# Altium PCB 朋氏集团—PCB尺.PcbDoc (part 2 of 2)
Units mm, origin at the board's own origin, x right, y up, seen from the top; angles counter-clockwise.
Board outline 210 x 30 mm, 2 copper layers (Top Layer, Bottom Layer); 50 components, 0 nets, 865 pads, 0 vias.
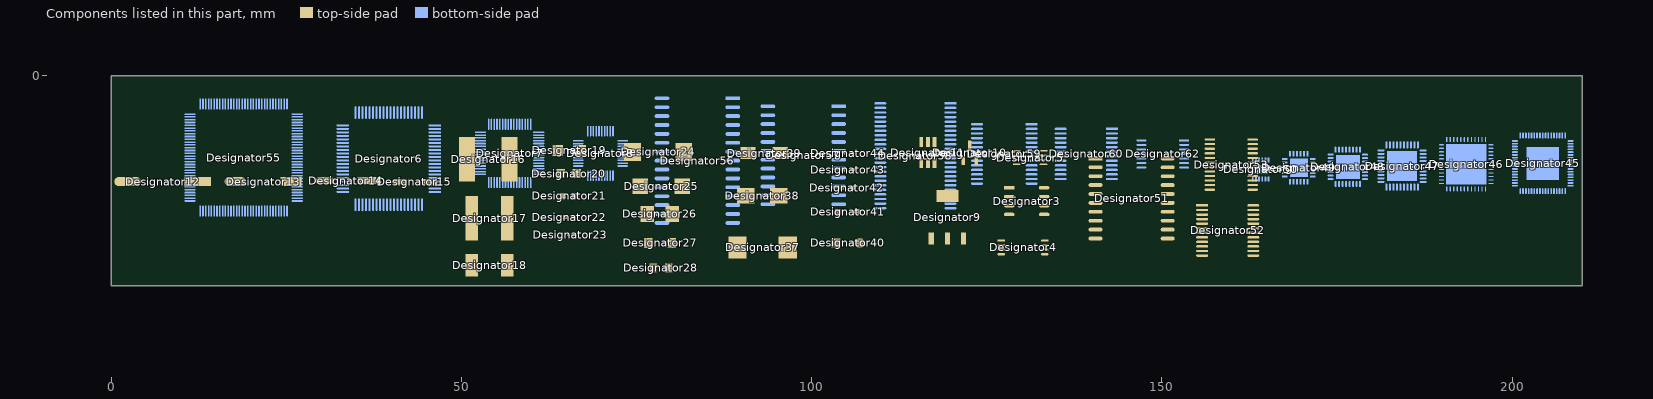
[diagram p2: the components of this part, seen from the top]

## Nets (pads, with @x,y where several pads share a name; then routed paths per layer and width w, separated by ;. In a path a pad name is that pad's centre, name@x,y a point inside that pad or via, vN(x,y) a via of type N, cw(c..) or ccw(c..) an arc to the next point about the centre after c; other vN are vias at no path point) (continued)
copper on no net: | length 5186.3
  Top Layer w0.127: 171.861,-21.19 173.258,-21.19 ; 171.861,-21.063 173.258,-21.063 ; 171.861,-20.936 173.258,-20.936 ; 171.861,-20.809 173.258,-20.809 ; 171.861,-20.682 173.131,-20.682 ; 171.861,-20.555 173.131,-20.555 ; 171.861,-20.428 173.131,-20.428 ; 171.861,-20.301 173.131,-20.301 ; 171.861,-20.174 173.131,-20.174 ; 171.861,-20.047 173.131,-20.047 ; 171.861,-19.92 173.004,-19.92 ; 171.861,-19.793 173.004,-19.793 ; 171.861,-19.666 173.004,-19.666 ; 171.861,-19.539 173.004,-19.539 ; 171.861,-19.412 173.004,-19.412 ; 171.861,-19.285 173.004,-19.285 ; 171.861,-19.158 173.004,-19.158 ; 171.861,-19.031 173.004,-19.031 ; 171.861,-18.904 173.131,-18.904 ; 171.861,-18.777 173.131,-18.777 ; 171.861,-18.65 173.131,-18.65 ; 171.988,-21.825 173.512,-21.825 ; 171.988,-21.698 173.512,-21.698 ; 171.988,-21.571 173.385,-21.571 ; 171.988,-21.444 173.385,-21.444 ; 171.988,-21.317 173.385,-21.317 ; 171.988,-18.523 173.131,-18.523 ; 171.988,-18.396 173.131,-18.396 ; 171.988,-18.269 173.131,-18.269 ; 171.988,-18.142 173.258,-18.142 ; 172.115,-22.206 173.766,-22.206 ; 172.115,-22.079 173.766,-22.079 ; 172.115,-21.952 173.639,-21.952 ; 172.115,-18.015 173.258,-18.015 ; 172.115,-17.888 173.258,-17.888 ; 172.115,-17.761 173.258,-17.761 ; 172.242,-22.46 174.02,-22.46 ; 172.242,-22.333 173.893,-22.333 ; 172.242,-17.634 173.385,-17.634 ; 172.242,-17.507 173.385,-17.507 ; 172.242,-17.38 173.385,-17.38 ; 172.369,-22.714 174.147,-22.714 ; 172.369,-22.587 174.147,-22.587 ; 172.369,-17.253 173.385,-17.253 ; 172.369,-17.126 173.512,-17.126 ; 172.496,-22.841 174.274,-22.841 ; 172.496,-16.999 173.512,-16.999 ; 172.496,-16.872 173.639,-16.872 ; 172.623,-23.222 174.782,-23.222 ; 172.623,-23.095 174.655,-23.095 ; 172.623,-22.968 174.528,-22.968 ; 172.623,-16.745 173.639,-16.745 ; 172.623,-16.618 173.766,-16.618 ; 172.75,-23.349 174.909,-23.349 ; 172.75,-16.491 173.766,-16.491 ; 172.75,-16.364 173.893,-16.364 ; 172.877,-23.603 175.29,-23.603 ; 172.877,-23.476 175.036,-23.476 ; 172.877,-16.237 173.893,-16.237 ; 173.004,-23.73 175.544,-23.73 ; 173.004,-16.11 174.02,-16.11 ; 173.004,-15.983 174.02,-15.983 ; 173.131,-23.857 175.671,-23.857 ; 173.131,-15.856 174.147,-15.856 ; 173.258,-23.984 175.925,-23.984 ; 173.258,-15.729 174.274,-15.729 ; 173.385,-24.111 176.179,-24.111 ; 173.385,-15.602 174.274,-15.602 ; 173.385,-15.475 174.401,-15.475 ; 173.512,-24.238 176.433,-24.238 ; 173.512,-15.348 174.528,-15.348 ; 173.639,-24.365 176.814,-24.365 ; 173.639,-15.221 174.528,-15.221 ; 173.766,-24.492 177.195,-24.492 ; 173.766,-15.094 174.655,-15.094 ; 173.893,-24.619 177.703,-24.619 ; 173.893,-14.967 174.782,-14.967 ; 173.893,-14.84 174.909,-14.84 ; 174.02,-24.746 178.211,-24.746 ; 174.02,-14.713 174.909,-14.713 ; 174.147,-24.873 178.846,-24.873 ; 174.147,-14.586 174.909,-14.586 ; 174.274,-25 179.608,-25 ; 174.274,-14.459 174.909,-14.459 ; 174.401,-14.332 174.909,-14.332 ; 174.528,-25.127 180.751,-25.127 ; 174.528,-14.205 174.909,-14.205 ; 174.655,-14.078 174.909,-14.078 ; 174.782,-25.254 192.816,-25.254 ; 174.909,-25.381 192.562,-25.381 ; 175.163,-25.508 192.181,-25.508 ; 175.29,-25.635 191.927,-25.635 ; 175.544,-25.762 191.546,-25.762 ; 175.798,-25.889 191.038,-25.889 ; 175.798,-19.666 177.449,-19.666 ; 175.798,-19.539 177.449,-19.539 ; 175.798,-19.412 177.449,-19.412 ; 175.798,-19.285 177.449,-19.285 ; 175.798,-19.158 177.449,-19.158 ; 175.798,-19.031 177.449,-19.031 ; 175.798,-18.904 177.449,-18.904 ; 175.798,-18.777 177.449,-18.777 ; 175.798,-18.65 177.449,-18.65 ; 175.798,-18.523 177.449,-18.523 ; 175.798,-18.396 177.449,-18.396 ; 175.798,-18.269 177.449,-18.269 ; 175.798,-18.142 177.449,-18.142 ; 175.798,-18.015 177.449,-18.015 ; 175.798,-17.888 177.449,-17.888 ; 175.798,-17.761 177.449,-17.761 ; 175.798,-17.634 177.449,-17.634 ; 175.798,-17.507 177.449,-17.507 ; 175.798,-17.38 177.449,-17.38 ; 175.798,-17.253 177.449,-17.253 ; 175.798,-17.126 177.449,-17.126 ; 175.798,-16.999 177.449,-16.999 ; 175.798,-16.872 177.449,-16.872 ; 175.798,-16.745 177.449,-16.745 ; 175.798,-16.618 177.449,-16.618 ; 175.798,-16.491 177.449,-16.491 ; 175.798,-16.364 177.449,-16.364 ; 175.798,-16.237 177.449,-16.237 ; 175.798,-16.11 177.449,-16.11 ; 175.798,-15.983 177.449,-15.983 ; 175.798,-15.856 177.449,-15.856 ; 175.798,-15.729 177.449,-15.729 ; 175.798,-15.602 177.449,-15.602 ; 175.798,-15.475 177.449,-15.475 ; 175.798,-14.459 177.449,-14.459 ; 175.798,-14.332 177.449,-14.332 ; 175.798,-14.205 177.449,-14.205 ; 175.798,-14.078 177.449,-14.078 ; 175.798,-13.951 177.449,-13.951 ; 175.798,-13.824 177.449,-13.824 ; 175.798,-13.697 177.449,-13.697 ; 175.798,-13.57 177.449,-13.57 ; 175.798,-13.443 177.449,-13.443 ; 175.798,-13.316 177.449,-13.316 ; 175.925,-20.174 177.449,-20.174 ; 175.925,-20.047 177.449,-20.047 ; 175.925,-19.92 177.449,-19.92 ; 175.925,-19.793 177.449,-19.793 ; 175.925,-15.348 177.449,-15.348 ; 175.925,-14.586 177.322,-14.586 ; 175.925,-13.189 177.322,-13.189 ; 176.052,-20.428 177.449,-20.428 ; 176.052,-20.301 177.449,-20.301 ; 176.179,-26.016 190.53,-26.016 ; 176.179,-20.555 177.449,-20.555 ; 176.306,-20.682 177.449,-20.682 ; 176.433,-20.809 177.449,-20.809 ; 176.56,-26.143 190.149,-26.143 ; 176.56,-20.936 177.449,-20.936 ; 176.814,-26.27 189.641,-26.27 ; 176.941,-21.063 177.449,-21.063 ; 177.195,-26.397 189.133,-26.397 ; 177.576,-26.524 188.625,-26.524 ; 177.83,-12.427 178.338,-12.427 ; 177.83,-12.3 178.592,-12.3 ; 177.83,-12.173 178.846,-12.173 ; 177.83,-12.046 179.1,-12.046 ; 177.957,-12.554 178.084,-12.554 ; 177.957,-11.919 179.481,-11.919 ; 178.084,-26.651 187.99,-26.651 ; 178.211,-11.792 179.735,-11.792 ; 178.338,-11.665 180.116,-11.665 ; 178.592,-21.063 180.116,-21.063 ; 178.592,-20.936 180.116,-20.936 ; 178.592,-20.809 180.116,-20.809 ; 178.592,-20.682 180.116,-20.682 ; 178.592,-20.555 180.116,-20.555 ; 178.592,-20.428 180.116,-20.428 ; 178.592,-20.301 180.116,-20.301 ; 178.592,-20.174 180.116,-20.174 ; 178.592,-20.047 180.116,-20.047 ; 178.592,-19.92 180.116,-19.92 ; 178.592,-19.793 180.116,-19.793 ; 178.592,-19.666 180.116,-19.666 ; 178.592,-19.539 180.116,-19.539 ; 178.592,-19.412 180.116,-19.412 ; 178.592,-19.285 180.116,-19.285 ; 178.592,-19.158 180.116,-19.158 ; 178.592,-19.031 180.116,-19.031 ; 178.592,-18.904 180.116,-18.904 ; 178.592,-18.777 180.116,-18.777 ; 178.592,-18.65 180.116,-18.65 ; 178.592,-18.523 180.116,-18.523 ; 178.592,-18.396 180.116,-18.396 ; 178.592,-18.269 180.116,-18.269 ; 178.592,-18.142 180.116,-18.142 ; 178.592,-18.015 180.116,-18.015 ; 178.592,-17.888 180.116,-17.888 ; 178.592,-17.761 180.116,-17.761 ; 178.592,-17.634 180.116,-17.634 ; 178.592,-17.507 180.116,-17.507 ; 178.592,-17.38 180.116,-17.38 ; 178.592,-17.253 180.116,-17.253 ; 178.592,-17.126 180.116,-17.126 ; 178.592,-16.999 180.116,-16.999 ; 178.592,-16.872 180.116,-16.872 ; 178.592,-16.745 180.116,-16.745 ; 178.592,-16.618 180.116,-16.618 ; 178.592,-16.491 183.291,-16.491 ; 178.592,-16.364 183.291,-16.364 ; 178.592,-16.237 183.164,-16.237 ; 178.592,-16.11 183.164,-16.11 ; 178.592,-15.983 183.037,-15.983 ; 178.592,-15.856 182.91,-15.856 ; 178.592,-15.729 182.783,-15.729 ; 178.592,-15.602 182.656,-15.602 ; 178.592,-15.475 182.529,-15.475 ; 178.592,-15.348 182.148,-15.348 ; 178.592,-11.538 180.37,-11.538 ; 178.719,-26.778 187.101,-26.778 ; 178.846,-11.411 180.751,-11.411 ; 179.1,-11.284 181.005,-11.284 ; 179.354,-11.157 181.386,-11.157 ; 179.481,-26.905 186.212,-26.905 ; 179.608,-11.03 181.894,-11.03 ; 179.862,-10.903 182.275,-10.903 ; 180.116,-10.776 182.656,-10.776 ; 180.37,-27.032 185.196,-27.032 ; 180.37,-10.649 183.037,-10.649 ; 180.751,-10.522 183.545,-10.522 ; 181.132,-10.395 184.18,-10.395 ; 181.386,-10.268 184.815,-10.268 ; 181.513,-16.618 183.291,-16.618 ; 181.767,-20.936 183.418,-20.936 ; 181.767,-20.809 183.418,-20.809 ; 181.767,-20.682 183.418,-20.682 ; 181.767,-20.555 183.418,-20.555 ; 181.767,-20.428 183.418,-20.428 ; 181.767,-20.301 183.418,-20.301 ; 181.767,-20.174 183.418,-20.174 ; 181.767,-20.047 183.418,-20.047 ; 181.767,-19.92 183.418,-19.92 ; 181.767,-19.793 183.418,-19.793 ; 181.767,-19.666 183.418,-19.666 ; 181.767,-19.539 183.418,-19.539 ; 181.767,-19.412 183.418,-19.412 ; 181.767,-19.285 183.418,-19.285 ; 181.767,-19.158 183.418,-19.158 ; 181.767,-19.031 183.418,-19.031 ; 181.767,-18.904 183.418,-18.904 ; 181.767,-18.777 183.418,-18.777 ; 181.767,-18.65 183.418,-18.65 ; 181.767,-18.523 183.418,-18.523 ; 181.767,-18.396 183.418,-18.396 ; 181.767,-18.269 183.418,-18.269 ; 181.767,-18.142 183.418,-18.142 ; 181.767,-18.015 183.418,-18.015 ; 181.767,-17.888 183.418,-17.888 ; 181.767,-17.761 183.418,-17.761 ; 181.767,-17.634 183.418,-17.634 ; 181.767,-17.507 183.418,-17.507 ; 181.767,-17.38 183.418,-17.38 ; 181.767,-17.253 183.418,-17.253 ; 181.767,-17.126 183.418,-17.126 ; 181.767,-16.999 183.418,-16.999 ; 181.767,-16.872 183.418,-16.872 ; 181.767,-16.745 183.291,-16.745 ; 181.767,-10.141 185.45,-10.141 ; 181.894,-21.063 183.291,-21.063 ; 182.021,-10.014 186.085,-10.014 ; 182.402,-9.887 187.101,-9.887 ; 182.783,-9.76 188.371,-9.76 ; 183.291,-9.633 195.61,-9.633 ; 183.799,-9.506 195.229,-9.506 ; 183.926,-25.127 193.197,-25.127 ; 184.18,-9.379 194.975,-9.379 ; 184.307,-19.92 186.974,-19.92 ; 184.307,-19.793 186.847,-19.793 ; 184.307,-19.666 185.958,-19.666 ; 184.307,-19.539 185.831,-19.539 ; 184.307,-19.412 185.831,-19.412 ; 184.307,-19.285 185.831,-19.285 ; 184.307,-19.158 185.831,-19.158 ; 184.307,-19.031 185.831,-19.031 ; 184.307,-18.904 185.831,-18.904 ; 184.307,-18.777 185.831,-18.777 ; 184.307,-18.65 185.831,-18.65 ; 184.307,-18.523 185.831,-18.523 ; 184.307,-18.396 185.831,-18.396 ; 184.307,-18.269 185.831,-18.269 ; 184.307,-18.142 185.831,-18.142 ; 184.307,-18.015 185.831,-18.015 ; 184.307,-17.888 185.831,-17.888 ; 184.307,-17.761 185.831,-17.761 ; 184.307,-17.634 185.831,-17.634 ; 184.307,-17.507 185.831,-17.507 ; 184.307,-17.38 185.831,-17.38 ; 184.307,-17.253 185.831,-17.253 ; 184.307,-17.126 185.831,-17.126 ; 184.307,-16.999 185.831,-16.999 ; 184.307,-16.872 185.831,-16.872 ; 184.307,-16.745 185.831,-16.745 ; 184.307,-16.618 185.831,-16.618 ; 184.307,-16.491 186.847,-16.491 ; 184.307,-16.364 186.974,-16.364 ; 184.307,-16.237 186.974,-16.237 ; 184.307,-16.11 186.974,-16.11 ; 184.307,-15.983 186.974,-15.983 ; 184.307,-15.856 186.974,-15.856 ; 184.307,-15.729 186.974,-15.729 ; 184.307,-15.602 186.974,-15.602 ; 184.307,-15.475 186.974,-15.475 ; 184.307,-15.348 186.847,-15.348 ; 184.307,-15.221 185.831,-15.221 ; 184.307,-15.094 185.831,-15.094 ; 184.307,-14.967 185.831,-14.967 ; 184.307,-14.84 185.831,-14.84 ; 184.307,-14.713 185.831,-14.713 ; 184.307,-14.586 185.831,-14.586 ; 184.307,-14.459 185.831,-14.459 ; 184.307,-14.332 185.831,-14.332 ; 184.307,-14.205 185.831,-14.205 ; 184.307,-14.078 185.831,-14.078 ; 184.307,-13.951 185.831,-13.951 ; 184.307,-13.824 185.831,-13.824 ; 184.434,-20.174 186.974,-20.174 ; 184.434,-20.047 186.974,-20.047 ; 184.561,-20.428 186.974,-20.428 ; 184.561,-20.301 186.974,-20.301 ; 184.688,-20.555 186.974,-20.555 ; 184.688,-9.252 194.594,-9.252 ; 184.815,-20.682 186.974,-20.682 ; 185.069,-20.809 186.974,-20.809 ; 185.196,-9.125 194.086,-9.125 ; 185.323,-25 193.578,-25 ; 185.323,-20.936 186.974,-20.936 ; 185.704,-21.063 186.847,-21.063 ; 185.831,-8.998 193.578,-8.998 ; 186.339,-24.873 193.832,-24.873 ; 186.847,-8.871 192.689,-8.871 ; 186.974,-24.746 194.086,-24.746 ; 187.101,-18.396 192.308,-18.396 ; 187.101,-18.269 192.308,-18.269 ; 187.101,-18.142 192.308,-18.142 ; 187.101,-18.015 192.308,-18.015 ; 187.228,-19.158 188.879,-19.158 ; 187.228,-19.031 188.752,-19.031 ; 187.228,-18.904 188.752,-18.904 ; 187.228,-18.777 188.752,-18.777 ; 187.228,-18.65 192.308,-18.65 ; 187.228,-18.523 192.308,-18.523 ; 187.228,-17.888 192.308,-17.888 ; 187.228,-17.761 192.308,-17.761 ; 187.228,-17.634 192.308,-17.634 ; 187.228,-17.507 188.752,-17.507 ; 187.228,-17.38 188.752,-17.38 ; 187.228,-17.253 188.752,-17.253 ; 187.355,-19.539 189.006,-19.539 ; 187.355,-19.412 189.006,-19.412 ; 187.355,-19.285 188.879,-19.285 ; 187.355,-17.126 188.879,-17.126 ; 187.355,-16.999 188.879,-16.999 ; 187.355,-16.872 189.006,-16.872 ; 187.482,-19.793 189.641,-19.793 ; 187.482,-19.666 189.26,-19.666 ; 187.482,-16.745 189.006,-16.745 ; 187.482,-16.618 189.26,-16.618 ; 187.482,-16.491 191.927,-16.491 ; 187.609,-24.619 194.34,-24.619 ; 187.609,-20.047 192.054,-20.047 ; 187.609,-19.92 191.927,-19.92 ; 187.609,-16.364 191.927,-16.364 ; 187.736,-20.174 192.181,-20.174 ; 187.736,-16.237 191.8,-16.237 ; 187.863,-20.301 192.054,-20.301 ; 187.863,-16.11 191.8,-16.11 ; 187.99,-20.428 191.927,-20.428 ; 187.99,-15.983 191.673,-15.983 ; 187.99,-8.744 191.673,-8.744 ; 188.117,-20.555 191.8,-20.555 ; 188.117,-15.856 191.546,-15.856 ; 188.244,-20.682 191.673,-20.682 ; 188.244,-15.729 191.419,-15.729 ; 188.371,-24.492 194.594,-24.492 ; 188.371,-20.809 191.419,-20.809 ; 188.371,-15.602 191.292,-15.602 ; 188.625,-20.936 191.165,-20.936 ; 188.625,-15.475 191.038,-15.475 ; 188.879,-15.348 190.784,-15.348 ; 189.006,-24.365 194.848,-24.365 ; 189.006,-21.063 190.911,-21.063 ; 189.26,-15.221 190.403,-15.221 ; 189.387,-24.238 194.975,-24.238 ; 189.895,-24.111 195.102,-24.111 ; 190.276,-23.984 195.102,-23.984 ; 190.276,-19.793 191.8,-19.793 ; 190.276,-16.618 192.054,-16.618 ; 190.53,-16.872 192.181,-16.872 ; 190.53,-16.745 192.054,-16.745 ; 190.657,-23.857 195.102,-23.857 ; 190.657,-17.253 192.308,-17.253 ; 190.657,-17.126 192.181,-17.126 ; 190.657,-16.999 192.181,-16.999 ; 190.784,-19.666 191.673,-19.666 ; 190.784,-17.507 192.308,-17.507 ; 190.784,-17.38 192.308,-17.38 ; 190.784,-9.76 195.991,-9.76 ; 190.911,-19.539 191.546,-19.539 ; 191.038,-23.73 195.102,-23.73 ; 191.038,-19.412 191.419,-19.412 ; 191.546,-23.603 195.102,-23.603 ; 191.927,-23.476 195.102,-23.476 ; 191.927,-9.887 196.245,-9.887 ; 192.181,-23.349 195.102,-23.349 ; 192.435,-23.222 195.102,-23.222 ; 192.689,-10.014 196.499,-10.014 ; 192.816,-23.095 195.102,-23.095 ; 193.07,-22.968 195.102,-22.968 ; 193.07,-19.92 194.594,-19.92 ; 193.07,-19.793 194.594,-19.793 ; 193.07,-19.666 194.594,-19.666 ; 193.07,-19.539 194.594,-19.539 ; 193.07,-19.412 194.594,-19.412 ; 193.07,-19.285 194.594,-19.285 ; 193.07,-19.158 194.594,-19.158 ; 193.07,-19.031 194.594,-19.031 ; 193.07,-18.904 194.594,-18.904 ; 193.07,-18.777 194.594,-18.777 ; 193.07,-18.65 194.594,-18.65 ; 193.07,-18.523 194.594,-18.523 ; 193.07,-18.396 194.594,-18.396 ; 193.07,-18.269 194.594,-18.269 ; 193.07,-18.142 194.594,-18.142 ; 193.07,-18.015 194.594,-18.015 ; 193.07,-17.888 194.594,-17.888 ; 193.07,-17.761 194.594,-17.761 ; 193.07,-17.634 194.594,-17.634 ; 193.07,-17.507 194.594,-17.507 ; 193.07,-17.38 194.594,-17.38 ; 193.07,-17.253 194.594,-17.253 ; 193.07,-17.126 194.594,-17.126 ; 193.07,-16.999 194.594,-16.999 ; 193.07,-16.872 194.594,-16.872 ; 193.07,-16.745 194.594,-16.745 ; 193.07,-16.618 194.594,-16.618 ; 193.07,-16.491 194.594,-16.491 ; 193.07,-16.364 194.594,-16.364 ; 193.07,-16.237 194.594,-16.237 ; 193.07,-16.11 194.594,-16.11 ; 193.07,-15.983 194.594,-15.983 ; 193.07,-15.856 194.594,-15.856 ; 193.07,-15.729 194.594,-15.729 ; 193.07,-15.602 194.594,-15.602 ; 193.07,-15.475 194.594,-15.475 ; 193.07,-15.348 194.594,-15.348 ; 193.07,-15.221 194.594,-15.221 ; 193.07,-15.094 194.594,-15.094 ; 193.07,-14.967 194.594,-14.967 ; 193.07,-14.84 194.594,-14.84 ; 193.07,-14.713 194.594,-14.713 ; 193.07,-14.586 194.594,-14.586 ; 193.07,-14.459 194.594,-14.459 ; 193.07,-14.332 194.594,-14.332 ; 193.07,-14.205 194.594,-14.205 ; 193.07,-14.078 194.594,-14.078 ; 193.07,-13.951 194.594,-13.951 ; 193.07,-13.824 194.594,-13.824 ; 193.07,-13.697 194.594,-13.697 ; 193.07,-13.57 194.594,-13.57 ; 193.07,-13.443 194.594,-13.443 ; 193.07,-13.316 194.594,-13.316 ; 193.07,-13.189 194.594,-13.189 ; 193.07,-13.062 194.594,-13.062 ; 193.197,-20.301 194.594,-20.301 ; 193.197,-20.174 194.594,-20.174 ; 193.197,-20.047 194.594,-20.047 ; 193.197,-12.935 194.467,-12.935 ; 193.197,-10.141 196.753,-10.141 ; 193.324,-20.428 194.594,-20.428 ; 193.451,-22.841 195.102,-22.841 ; 193.451,-20.555 194.594,-20.555 ; 193.578,-20.682 194.594,-20.682 ; 193.705,-22.714 195.102,-22.714 ; 193.705,-10.268 196.88,-10.268 ; 193.832,-20.809 194.594,-20.809 ; 193.959,-22.587 195.102,-22.587 ; 194.086,-20.936 194.594,-20.936 ; 194.213,-22.46 195.102,-22.46 ; 194.213,-10.395 197.134,-10.395 ; 194.467,-22.333 195.102,-22.333 ; 194.594,-10.522 197.388,-10.522 ; 194.721,-22.206 195.102,-22.206 ; 194.848,-10.649 197.515,-10.649 ; 195.102,-10.776 197.642,-10.776 ; 195.356,-10.903 197.769,-10.903 ; 195.483,-20.936 195.864,-20.936 ; 195.483,-20.809 196.118,-20.809 ; 195.483,-20.682 196.372,-20.682 ; 195.483,-20.555 196.626,-20.555 ; 195.483,-20.428 196.753,-20.428 ; 195.483,-20.301 197.007,-20.301 ; 195.483,-20.174 197.134,-20.174 ; 195.483,-20.047 197.388,-20.047 ; 195.483,-19.92 197.515,-19.92 ; 195.483,-19.793 197.642,-19.793 ; 195.483,-19.666 197.769,-19.666 ; 195.483,-19.539 197.896,-19.539 ; 195.483,-19.412 198.023,-19.412 ; 195.483,-13.824 196.626,-13.824 ; 195.483,-13.697 195.737,-13.697 ; 195.483,-13.57 195.737,-13.57 ; 195.483,-13.443 195.737,-13.443 ; 195.483,-13.316 196.626,-13.316 ; 195.61,-13.951 195.991,-13.951 ; 195.61,-13.189 196.626,-13.189 ; 195.61,-11.03 198.023,-11.03 ; 195.737,-19.285 198.15,-19.285 ; 195.737,-14.078 196.499,-14.078 ; 195.737,-13.062 196.499,-13.062 ; 195.864,-19.158 198.277,-19.158 ; 195.864,-14.205 196.372,-14.205 ; 195.864,-13.697 196.372,-13.697 ; 195.864,-13.57 196.372,-13.57 ; 195.864,-13.443 196.753,-13.443 ; 195.864,-11.157 198.15,-11.157 ; 195.991,-12.935 196.245,-12.935 ; 196.118,-19.031 198.277,-19.031 ; 196.118,-13.951 196.626,-13.951 ; 196.118,-11.284 198.277,-11.284 ; 196.245,-18.904 198.404,-18.904 ; 196.245,-11.411 198.404,-11.411 ; 196.372,-18.777 198.531,-18.777 ; 196.372,-11.538 198.531,-11.538 ; 196.499,-18.65 198.658,-18.65 ; 196.499,-13.697 196.753,-13.697 ; 196.499,-13.57 196.753,-13.57 ; 196.626,-18.523 198.785,-18.523 ; 196.626,-11.665 198.531,-11.665 ; 196.753,-18.396 198.785,-18.396 ; 196.753,-11.792 198.658,-11.792 ; 196.88,-18.269 198.912,-18.269 ; 196.88,-11.919 198.785,-11.919 ; 197.007,-18.142 198.912,-18.142 ; 197.007,-12.046 198.912,-12.046 ; 197.134,-18.015 199.039,-18.015 ; 197.134,-12.173 198.912,-12.173 ; 197.261,-17.888 199.039,-17.888 ; 197.261,-12.3 199.039,-12.3 ; 197.388,-17.761 199.166,-17.761 ; 197.388,-17.634 199.166,-17.634 ; 197.388,-12.554 199.166,-12.554 ; 197.388,-12.427 199.039,-12.427 ; 197.515,-17.507 199.293,-17.507 ; 197.515,-17.38 199.293,-17.38 ; 197.515,-12.681 199.166,-12.681 ; 197.642,-17.253 199.42,-17.253 ; 197.642,-17.126 199.42,-17.126 ; 197.642,-12.935 199.42,-12.935 ; 197.642,-12.808 199.293,-12.808 ; 197.769,-16.999 199.547,-16.999 ; 197.769,-16.872 199.547,-16.872 ; 197.769,-13.189 199.42,-13.189 ; 197.769,-13.062 199.42,-13.062 ; 197.896,-16.745 199.547,-16.745 ; 197.896,-16.618 199.547,-16.618 ; 197.896,-13.443 199.547,-13.443 ; 197.896,-13.316 199.547,-13.316 ; 198.023,-16.491 199.674,-16.491 ; 198.023,-16.364 199.674,-16.364 ; 198.023,-16.237 199.674,-16.237 ; 198.023,-13.824 199.674,-13.824 ; 198.023,-13.697 199.674,-13.697 ; 198.023,-13.57 199.547,-13.57 ; 198.15,-16.11 199.674,-16.11 ; 198.15,-15.983 199.674,-15.983 ; 198.15,-15.856 199.801,-15.856 ; 198.15,-15.729 199.801,-15.729 ; 198.15,-14.332 199.801,-14.332 ; 198.15,-14.205 199.674,-14.205 ; 198.15,-14.078 199.674,-14.078 ; 198.15,-13.951 199.674,-13.951 ; 198.277,-15.602 199.801,-15.602 ; 198.277,-15.475 199.801,-15.475 ; 198.277,-15.348 199.801,-15.348 ; 198.277,-15.221 199.801,-15.221 ; 198.277,-15.094 199.801,-15.094 ; 198.277,-14.967 199.801,-14.967 ; 198.277,-14.84 199.801,-14.84 ; 198.277,-14.713 199.801,-14.713 ; 198.277,-14.586 199.801,-14.586 ; 198.277,-14.459 199.801,-14.459
  Bottom Layer w0.254: 4.983,-29.972 4.983,-22.972 ; 5,-7 5,0 ; 5.034,-29.972 5.034,-22.972 ; 5.5,-2 5.5,0 ; 5.983,-29.972 5.983,-25.972 ; 6,-4 6,0 ; 6.034,-29.972 6.034,-25.972 ; 6.5,-2 6.5,0 ; 6.983,-29.972 6.983,-25.972 ; 7,-4 7,0 ; 7.034,-29.972 7.034,-25.972 ; 7.5,-2 7.5,0 ; 7.983,-29.972 7.983,-25.972 ; 8,-4 8,0 ; 8.034,-29.972 8.034,-25.972 ; 8.5,-2 8.5,0 ; 8.983,-29.972 8.983,-25.972 ; 9,-4 9,0 ; 9.034,-29.972 9.034,-25.972 ; 9.5,-2 9.5,0 ; 9.983,-29.972 9.983,-23.972 ; 10,-6 10,0 ; 10.034,-29.972 10.034,-23.972 ; 10.5,-2 10.5,0 ; 10.983,-29.972 10.983,-25.972 ; 11,-4 11,0 ; 11.034,-29.972 11.034,-25.972 ; 11.5,-2 11.5,0 ; 11.983,-29.972 11.983,-25.972 ; 12,-4 12,0 ; 12.034,-29.972 12.034,-25.972 ; 12.5,-2 12.5,0 ; 12.983,-29.972 12.983,-25.972 ; 13,-4 13,0 ; 13.034,-29.972 13.034,-25.972 ; 13.5,-2 13.5,0 ; 13.983,-29.972 13.983,-25.972 ; 14,-4 14,0 ; 14.034,-29.972 14.034,-25.972 ; 14.5,-2 14.5,0 ; 14.983,-29.972 14.983,-22.972 ; 15,-7 15,0 ; 15.034,-29.972 15.034,-22.972 ; 15.5,-2 15.5,0 ; 15.983,-29.972 15.983,-25.972 ; 16,-4 16,0 ; 16.034,-29.972 16.034,-25.972 ; 16.5,-2 16.5,0 ; 16.983,-29.972 16.983,-25.972 ; 17,-4 17,0 ; 17.034,-29.972 17.034,-25.972 ; 17.5,-2 17.5,0 ; 17.983,-29.972 17.983,-25.972 ; 18,-4 18,0 ; 18.034,-29.972 18.034,-25.972 ; 18.5,-2 18.5,0 ; 18.983,-29.972 18.983,-25.972 ; 19,-4 19,0 ; 19.034,-29.972 19.034,-25.972 ; 19.5,-2 19.5,0 ; 19.983,-29.972 19.983,-23.972 ; 20,-6 20,0 ; 20.034,-29.972 20.034,-23.972 ; 20.5,-2 20.5,0 ; 20.983,-29.972 20.983,-25.972 ; 21,-4 21,0 ; 21.034,-29.972 21.034,-25.972 ; 21.5,-2 21.5,0 ; 21.983,-29.972 21.983,-25.972 ; 22,-4 22,0 ; 22.034,-29.972 22.034,-25.972 ; 22.5,-2 22.5,0 ; 22.983,-29.972 22.983,-25.972 ; 23,-4 23,0 ; 23.034,-29.972 23.034,-25.972 ; 23.5,-2 23.5,0 ; 23.983,-29.972 23.983,-25.972 ; 24,-4 24,0 ; 24.034,-29.972 24.034,-25.972 ; 24.5,-2 24.5,0 ; 24.983,-29.972 24.983,-22.972 ; 25,-7 25,0 ; 25.034,-29.972 25.034,-22.972 ; 25.5,-2 25.5,0 ; 25.983,-29.972 25.983,-25.972 ; 26,-4 26,0 ; 26.034,-29.972 26.034,-25.972 ; 26.5,-2 26.5,0 ; 26.983,-29.972 26.983,-25.972 ; 27.034,-29.972 27.034,-25.972 ; 27.983,-29.972 27.983,-25.972 ; 28,-4 28,0 ; 28.034,-29.972 28.034,-25.972 ; 28.5,-2 28.5,0 ; 28.983,-29.972 28.983,-25.972 ; 29,-4 29,0 ; 29.034,-29.972 29.034,-25.972 ; 29.5,-2 29.5,0 ; 29.983,-29.972 29.983,-23.972 ; 30,-6 30,0 ; 30.034,-29.972 30.034,-23.972 ; 30.5,-2 30.5,0 ; 30.983,-29.972 30.983,-25.972 ; 31,-4 31,0 ; 31.034,-29.972 31.034,-25.972 ; 31.5,-2 31.5,0 ; 31.983,-29.972 31.983,-25.972 ; 32,-4 32,0 ; 32.034,-29.972 32.034,-25.972 ; 32.5,-2 32.5,0 ; 32.983,-29.972 32.983,-25.972 ; 33,-4 33,0 ; 33.034,-29.972 33.034,-25.972 ; 33.5,-2 33.5,0 ; 33.983,-29.972 33.983,-25.972 ; 34,-4 34,0 ; 34.034,-29.972 34.034,-25.972 ; 34.5,-2 34.5,0 ; 34.983,-29.972 34.983,-22.972 ; 35,-7 35,0 ; 35.034,-29.972 35.034,-22.972 ; 35.5,-2 35.5,0 ; 35.983,-29.972 35.983,-25.972 ; 36,-4 36,0 ; 36.034,-29.972 36.034,-25.972 ; 36.5,-2 36.5,0 ; 36.983,-29.972 36.983,-25.972 ; 37,-4 37,0 ; 37.034,-29.972 37.034,-25.972 ; 37.5,-2 37.5,0 ; 37.983,-29.972 37.983,-25.972 ; 38,-4 38,0 ; 38.034,-29.972 38.034,-25.972 ; 38.5,-2 38.5,0 ; 38.983,-29.972 38.983,-25.972 ; 39,-4 39,0 ; 39.034,-29.972 39.034,-25.972 ; 39.5,-2 39.5,0 ; 39.983,-29.972 39.983,-23.972 ; 40,-6 40,0 ; 40.034,-29.972 40.034,-23.972 ; 40.5,-2 40.5,0 ; 40.983,-29.972 40.983,-25.972 ; 41,-4 41,0 ; 41.034,-29.972 41.034,-25.972 ; 41.5,-2 41.5,0 ; 41.983,-29.972 41.983,-25.972 ; 42,-4 42,0 ; 42.034,-29.972 42.034,-25.972 ; 42.5,-2 42.5,0 ; 42.983,-29.972 42.983,-25.972 ; 43,-4 43,0 ; 43.034,-29.972 43.034,-25.972 ; 43.5,-2 43.5,0 ; 43.983,-29.972 43.983,-25.972 ; 44.034,-29.972 44.034,-25.972 ; 44.983,-29.972 44.983,-22.972 ; 45,-7 45,0 ; 45.034,-29.972 45.034,-22.972 ; 45.5,-2 45.5,0 ; 45.983,-29.972 45.983,-25.972 ; 46,-4 46,0 ; 46.034,-29.972 46.034,-25.972 ; 46.499,-2 46.499,0 ; 46.983,-29.972 46.983,-25.972 ; 46.999,-4 46.999,0 ; 47.034,-29.972 47.034,-25.972 ; 47.499,-2 47.499,0 ; 47.982,-29.972 47.982,-25.972 ; 47.999,-4 47.999,0 ; 48.034,-29.972 48.034,-25.972 ; 48.499,-2 48.499,0 ; 48.982,-29.972 48.982,-25.972 ; 48.999,-4 48.999,0 ; 49.034,-29.972 49.034,-25.972 ; 49.499,-2 49.499,0 ; 49.982,-29.972 49.982,-23.972 ; 49.999,-6 49.999,0 ; 50.034,-29.972 50.034,-23.972 ; 50.499,-2 50.499,0 ; 50.982,-29.972 50.982,-25.972 ; 50.999,-4 50.999,0 ; 51.034,-29.972 51.034,-25.972 ; 51.499,-2 51.499,0 ; 51.982,-29.972 51.982,-25.972 ; 51.999,-4 51.999,0 ; 52.034,-29.972 52.034,-25.972 ; 52.499,-2 52.499,0 ; 52.982,-29.972 52.982,-25.972 ; 52.999,-4 52.999,0 ; 53.034,-29.972 53.034,-25.972 ; 53.499,-2 53.499,0 ; 53.982,-29.972 53.982,-25.972 ; 53.999,-4 53.999,0 ; 54.034,-29.972 54.034,-25.972 ; 54.499,-2 54.499,0 ; 54.982,-29.972 54.982,-22.972 ; 54.999,-7 54.999,0 ; 55.034,-29.972 55.034,-22.972 ; 55.499,-2 55.499,0 ; 55.982,-29.972 55.982,-25.972 ; 55.999,-4 55.999,0 ; 56.034,-29.972 56.034,-25.972 ; 56.499,-2 56.499,0 ; 56.982,-29.972 56.982,-25.972 ; 56.999,-4 56.999,0 ; 57.034,-29.972 57.034,-25.972 ; 57.499,-2 57.499,0 ; 57.999,-4 57.999,0 ; 58.499,-2 58.499,0 ; 58.982,-29.972 58.982,-25.972 ; 58.999,-4 58.999,0 ; 59.034,-29.972 59.034,-25.972 ; 59.499,-2 59.499,0 ; 59.982,-29.972 59.982,-23.972 ; 59.999,-6 59.999,0 ; 60.034,-29.972 60.034,-23.972 ; 60.499,-2 60.499,0 ; 60.982,-29.972 60.982,-25.972 ; 60.999,-4 60.999,0 ; 61.034,-29.972 61.034,-25.972 ; 61.499,-2 61.499,0 ; 61.982,-29.972 61.982,-25.972 ; 61.999,-4 61.999,0 ; 62.034,-29.972 62.034,-25.972 ; 62.499,-2 62.499,0 ; 62.999,-4 62.999,0 ; 63.499,-2 63.499,0 ; 63.982,-29.972 63.982,-25.972 ; 63.999,-4 63.999,0 ; 64.034,-29.972 64.034,-25.972 ; 64.499,-2 64.499,0 ; 64.982,-25.972 64.982,-29.972 64.982,-22.972 ; 64.999,-7 64.999,0 ; 65.034,-25.972 65.034,-29.972 65.034,-22.972 ; 65.499,-2 65.499,0 ; 65.982,-29.972 65.982,-25.972 ; 65.999,-4 65.999,0 ; 66.034,-29.972 66.034,-25.972 ; 66.499,-2 66.499,0 ; 66.982,-29.972 66.982,-25.972 ; 66.999,-4 66.999,0 ; 67.034,-29.972 67.034,-25.972 ; 67.499,-2 67.499,0 ; 67.982,-29.972 67.982,-25.972 ; 67.999,-4 67.999,0 ; 68.034,-29.972 68.034,-25.972 ; 68.499,-2 68.499,0 ; 68.999,-4 68.999,0 ; 69.499,-2 69.499,0 ; 69.982,-29.972 69.982,-23.972 ; 69.999,-6 69.999,0 ; 70.033,-29.972 70.033,-23.972 ; 70.499,-2 70.499,0 ; 70.982,-29.972 70.982,-25.972 ; 70.999,-4 70.999,0 ; 71.033,-29.972 71.033,-25.972 ; 71.499,-2 71.499,0 ; 71.982,-29.972 71.982,-25.972 ; 71.999,-4 71.999,0 ; 72.033,-29.972 72.033,-25.972 ; 72.499,-2 72.499,0 ; 72.982,-29.972 72.982,-25.972 ; 72.999,-4 72.999,0 ; 73.033,-29.972 73.033,-25.972 ; 73.499,-2 73.499,0 ; 73.999,-4 73.999,0 ; 74.499,-2 74.499,0 ; 74.982,-25.972 74.982,-29.972 74.982,-22.972 ; 74.999,-7 74.999,0 ; 75.033,-25.972 75.033,-29.972 75.033,-22.972 ; 75.499,-2 75.499,0 ; 75.982,-29.972 75.982,-25.972 ; 75.999,-4 75.999,0 ; 76.033,-29.972 76.033,-25.972 ; 76.499,-2 76.499,0 ; 76.982,-29.972 76.982,-25.972 ; 76.999,-4 76.999,0 ; 77.033,-29.972 77.033,-25.972 ; 77.499,-2 77.499,0 ; 77.982,-29.972 77.982,-25.972 ; 77.999,-4 77.999,0 ; 78.033,-29.972 78.033,-25.972 ; 78.499,-2 78.499,0 ; 78.999,-4 78.999,0 ; 79.499,-2 79.499,0 ; 79.982,-29.972 79.982,-23.972 ; 79.999,-6 79.999,0 ; 80.033,-29.972 80.033,-23.972 ; 80.499,-2 80.499,0 ; 80.982,-29.972 80.982,-25.972 ; 80.999,-4 80.999,0 ; 81.033,-29.972 81.033,-25.972 ; 81.499,-2 81.499,0 ; 81.999,-4 81.999,0 ; 82.499,-2 82.499,0 ; 82.999,-4 82.999,0 ; 83.499,-2 83.499,0 ; 83.982,-29.972 83.982,-25.972 ; 83.999,-4 83.999,0 ; 84.033,-29.972 84.033,-25.972 ; 84.499,-2 84.499,0 ; 84.982,-29.972 84.982,-22.972 ; 84.999,-7 84.999,0 ; 85.033,-29.972 85.033,-22.972 ; 85.499,-2 85.499,0 ; 85.999,-4 85.999,0 ; 86.499,-2 86.499,0 ; 86.999,-4 86.999,0 ; 87.499,-2 87.499,0 ; 87.982,-29.972 87.982,-25.972 ; 87.999,-4 87.999,0 ; 88.033,-29.972 88.033,-25.972 ; 88.499,-2 88.499,0 ; 88.982,-29.972 88.982,-25.972 ; 89.033,-29.972 89.033,-25.972 ; 89.982,-29.972 89.982,-23.972 ; 89.999,-6 89.999,0 ; 90.033,-29.972 90.033,-23.972 ; 90.499,-2 90.499,0 ; 90.982,-29.972 90.982,-25.972 ; 90.999,-4 90.999,0 ; 91.033,-29.972 91.033,-25.972 ; 91.499,-2 91.499,0 ; 91.982,-29.972 91.982,-25.972 ; 91.999,-4 91.999,0 ; 92.033,-29.972 92.033,-25.972 ; 92.499,-2 92.499,0 ; 92.982,-29.972 92.982,-25.972 ; 92.999,-4 92.999,0 ; 93.033,-29.972 93.033,-25.972 ; 93.499,-2 93.499,0 ; 93.999,-4 93.999,0 ; 94.499,-2 94.499,0 ; 94.982,-29.972 94.982,-22.972 ; 94.999,-7 94.999,0 ; 95.033,-29.972 95.033,-22.972 ; 95.499,-2 95.499,0 ; 95.982,-29.972 95.982,-25.972 ; 95.999,-4 95.999,0 ; 96.033,-29.972 96.033,-25.972 ; 96.499,-2 96.499,0 ; 96.982,-29.972 96.982,-25.972 ; 96.999,-4 96.999,0 ; 97.033,-29.972 97.033,-25.972 ; 97.499,-2 97.499,0 ; 97.982,-29.972 97.982,-25.972 ; 97.999,-4 97.999,0 ; 98.033,-29.972 98.033,-25.972 ; 98.499,-2 98.499,0 ; 98.982,-29.972 98.982,-25.972 ; 99.033,-29.972 99.033,-25.972 ; 99.982,-29.972 99.982,-23.972 ; 99.999,-6 99.999,0 ; 100.033,-29.972 100.033,-23.972 ; 100.499,-2 100.499,0 ; 100.982,-29.972 100.982,-25.972 ; 100.999,-4 100.999,0 ; 101.033,-29.972 101.033,-25.972 ; 101.499,-2 101.499,0 ; 101.982,-29.972 101.982,-25.972 ; 101.999,-4 101.999,0 ; 102.033,-29.972 102.033,-25.972 ; 102.499,-2 102.499,0 ; 102.982,-29.972 102.982,-25.972 ; 102.999,-4 102.999,0 ; 103.033,-29.972 103.033,-25.972 ; 103.499,-2 103.499,0 ; 103.982,-29.972 103.982,-25.972 ; 103.999,-4 103.999,0 ; 104.033,-29.972 104.033,-25.972 ; 104.499,-2 104.499,0 ; 104.982,-29.972 104.982,-22.972 ; 104.999,-7 104.999,0 ; 105.033,-29.972 105.033,-22.972 ; 105.499,-2 105.499,0 ; 105.982,-29.972 105.982,-25.972 ; 105.999,-4 105.999,0 ; 106.033,-29.972 106.033,-25.972 ; 106.499,-2 106.499,0 ; 106.982,-29.972 106.982,-25.972 ; 106.999,-4 106.999,0 ; 107.033,-29.972 107.033,-25.972 ; 107.499,-2 107.499,0 ; 107.982,-29.972 107.982,-25.972 ; 107.999,-4 107.999,0 ; 108.033,-29.972 108.033,-25.972 ; 108.499,-2 108.499,0 ; 108.982,-29.972 108.982,-25.972 ; 108.999,-4 108.999,0 ; 109.033,-29.972 109.033,-25.972 ; 109.499,-2 109.499,0 ; 109.982,-29.972 109.982,-23.972 ; 109.999,-6 109.999,0 ; 110.033,-29.972 110.033,-23.972 ; 110.499,-2 110.499,0 ; 110.999,-4 110.999,0 ; 111.499,-2 111.499,0 ; 111.982,-29.972 111.982,-25.972 ; 111.999,-4 111.999,0 ; 112.033,-29.972 112.033,-25.972 ; 112.499,-2 112.499,0 ; 112.982,-29.972 112.982,-25.972 ; 112.999,-4 112.999,0 ; 113.033,-29.972 113.033,-25.972 ; 113.499,-2 113.499,0 ; 113.982,-29.972 113.982,-25.972 ; 113.999,-4 113.999,0 ; 114.033,-29.972 114.033,-25.972 ; 114.499,-2 114.499,0 ; 114.982,-29.972 114.982,-22.972 ; 114.999,-7 114.999,0 ; 115.033,-29.972 115.033,-22.972 ; 115.499,-2 115.499,0 ; 115.982,-29.972 115.982,-25.972 ; 116.033,-29.972 116.033,-25.972 ; 116.982,-29.972 116.982,-25.972 ; 116.999,-4 116.999,0 ; 117.033,-29.972 117.033,-25.972 ; 117.499,-2 117.499,0 ; 117.982,-29.972 117.982,-25.972 ; 117.999,-4 117.999,0 ; 118.033,-29.972 118.033,-25.972 ; 118.499,-2 118.499,0 ; 118.982,-29.972 118.982,-25.972 ; 118.999,-4 118.999,0 ; 119.033,-29.972 119.033,-25.972 ; 119.499,-2 119.499,0 ; 119.982,-29.972 119.982,-23.972 ; 119.999,-6 119.999,0 ; 120.033,-29.972 120.033,-23.972 ; 120.499,-2 120.499,0 ; 120.999,-4 120.999,0 ; 121.499,-2 121.499,0 ; 121.982,-29.972 121.982,-25.972 ; 121.999,-4 121.999,0 ; 122.033,-29.972 122.033,-25.972 ; 122.499,-2 122.499,0 ; 122.982,-29.972 122.982,-25.972 ; 123.033,-29.972 123.033,-25.972 ; 123.982,-29.972 123.982,-25.972 ; 124.033,-29.972 124.033,-25.972 ; 124.982,-29.972 124.982,-22.972 ; 124.999,-7 124.999,0 ; 125.033,-29.972 125.033,-22.972 ; 125.499,-2 125.499,0 ; 125.982,-29.972 125.982,-25.972 ; 125.999,-4 125.999,0 ; 126.033,-29.972 126.033,-25.972 ; 126.499,-2 126.499,0 ; 126.982,-29.972 126.982,-25.972 ; 127.033,-29.972 127.033,-25.972 ; 127.982,-29.972 127.982,-25.972 ; 128.033,-29.972 128.033,-25.972 ; 128.982,-29.972 128.982,-25.972 ; 128.998,-4 128.998,0 ; 129.033,-29.972 129.033,-25.972 ; 129.498,-2 129.498,0 ; 129.981,-29.972 129.981,-23.972 ; 129.998,-6 129.998,0 ; 130.033,-29.972 130.033,-23.972 ; 130.498,-2 130.498,0 ; 130.981,-29.972 130.981,-25.972 ; 131.033,-29.972 131.033,-25.972 ; 131.981,-29.972 131.981,-25.972 ; 131.998,-4 131.998,0 ; 132.033,-29.972 132.033,-25.972 ; 132.498,-2 132.498,0 ; 132.981,-29.972 132.981,-25.972 ; 132.998,-4 132.998,0 ; 133.033,-29.972 133.033,-25.972 ; 133.498,-2 133.498,0 ; 133.981,-29.972 133.981,-25.972 ; 133.998,-4 133.998,0 ; 134.033,-29.972 134.033,-25.972 ; 134.498,-2 134.498,0 ; 134.981,-29.972 134.981,-22.972 ; 134.998,-7 134.998,0 134.998,-4 ; 135.033,-29.972 135.033,-22.972 ; 135.981,-29.972 135.981,-25.972 ; 136.033,-29.972 136.033,-25.972 ; 136.981,-29.972 136.981,-25.972 ; 136.998,-4 136.998,0 ; 137.033,-29.972 137.033,-25.972 ; 137.498,-2 137.498,0 ; 137.981,-29.972 137.981,-25.972 ; 137.998,-4 137.998,0 ; 138.033,-29.972 138.033,-25.972 ; 138.498,-2 138.498,0 ; 138.981,-29.972 138.981,-25.972 ; 138.998,-4 138.998,0 ; 139.033,-29.972 139.033,-25.972 ; 139.498,-2 139.498,0 ; 139.981,-29.972 139.981,-23.972 ; 139.998,-6 139.998,0 ; 140.033,-29.972 140.033,-23.972 ; 140.498,-2 140.498,0 ; 140.981,-29.972 140.981,-25.972 ; 141.033,-29.972 141.033,-25.972 ; 141.981,-29.972 141.981,-25.972 ; 141.998,-4 141.998,0 ; 142.033,-29.972 142.033,-25.972 ; 142.498,-2 142.498,0 ; 142.981,-29.972 142.981,-25.972 ; 142.998,-4 142.998,0 ; 143.033,-29.972 143.033,-25.972 ; 143.498,-2 143.498,0 ; 143.981,-29.972 143.981,-25.972 ; 143.998,-4 143.998,0 ; 144.033,-29.972 144.033,-25.972 ; 144.498,-2 144.498,0 ; 144.981,-29.972 144.981,-22.972 ; 144.998,-7 144.998,0 144.998,-4 ; 145.033,-29.972 145.033,-22.972 ; 145.981,-29.972 145.981,-25.972 ; 145.998,-4 145.998,0 ; 146.033,-29.972 146.033,-25.972 ; 146.498,-2 146.498,0 ; 146.981,-29.972 146.981,-25.972 ; 147.033,-29.972 147.033,-25.972 ; 147.981,-29.972 147.981,-25.972 ; 147.998,-4 147.998,0 ; 148.033,-29.972 148.033,-25.972 ; 148.498,-2 148.498,0 ; 148.981,-29.972 148.981,-25.972 ; 148.998,-4 148.998,0 ; 149.033,-29.972 149.033,-25.972 ; 149.498,-2 149.498,0 ; 149.981,-29.972 149.981,-23.972 ; 149.998,-6 149.998,0 ; 150.033,-29.972 150.033,-23.972 ; 150.498,-2 150.498,0 ; 150.981,-29.972 150.981,-25.972 ; 150.998,-4 150.998,0 ; 151.033,-29.972 151.033,-25.972 ; 151.498,-2 151.498,0 ; 151.981,-29.972 151.981,-25.972 ; 152.032,-29.972 152.032,-25.972 ; 152.981,-29.972 152.981,-25.972 ; 152.998,-4 152.998,0 ; 153.032,-29.972 153.032,-25.972 ; 153.498,-2 153.498,0 ; 153.981,-29.972 153.981,-25.972 ; 153.998,-4 153.998,0 ; 154.032,-29.972 154.032,-25.972 ; 154.498,-2 154.498,0 ; 154.981,-29.972 154.981,-22.972 ; 154.998,-7 154.998,0 ; 155.032,-29.972 155.032,-22.972 ; 155.498,-2 155.498,0 ; 155.981,-29.972 155.981,-25.972 ; 155.998,-4 155.998,0 ; 156.032,-29.972 156.032,-25.972 ; 156.498,-2 156.498,0 ; 156.981,-29.972 156.981,-25.972 ; 156.998,-4 156.998,0 ; 157.032,-29.972 157.032,-25.972 ; 157.498,-2 157.498,0 ; 157.981,-29.972 157.981,-25.972 ; 157.998,-4 157.998,0 ; 158.032,-29.972 158.032,-25.972 ; 158.498,-2 158.498,0 ; 158.981,-29.972 158.981,-25.972 ; 158.998,-4 158.998,0 ; 159.032,-29.972 159.032,-25.972 ; 159.498,-2 159.498,0 ; 159.981,-29.972 159.981,-23.972 ; 159.998,-6 159.998,0 ; 160.032,-29.972 160.032,-23.972 ; 160.498,-2 160.498,0 ; 160.981,-29.972 160.981,-25.972 ; 160.998,-4 160.998,0 ; 161.032,-29.972 161.032,-25.972 ; 161.498,-2 161.498,0 ; 161.981,-29.972 161.981,-25.972 ; 161.998,-4 161.998,0 ; 162.032,-29.972 162.032,-25.972 ; 162.498,-2 162.498,0 ; 162.981,-29.972 162.981,-25.972 ; 162.998,-4 162.998,0 ; 163.032,-29.972 163.032,-25.972 ; 163.498,-2 163.498,0 ; 163.981,-29.972 163.981,-25.972 ; 163.998,-4 163.998,0 ; 164.032,-29.972 164.032,-25.972 ; 164.498,-2 164.498,0 ; 164.981,-29.972 164.981,-22.972 ; 164.998,-7 164.998,0 ; 165.032,-29.972 165.032,-22.972 ; 165.498,-2 165.498,0 ; 165.998,-4 165.998,0 ; 166.498,-2 166.498,0 ; 166.981,-29.972 166.981,-25.972 ; 166.998,-4 166.998,0 ; 167.032,-29.972 167.032,-25.972 ; 167.498,-2 167.498,0 ; 167.981,-29.972 167.981,-25.972 ; 167.998,-4 167.998,0 ; 168.032,-29.972 168.032,-25.972 ; 168.498,-2 168.498,0 ; 168.981,-29.972 168.981,-25.972 ; 168.998,-4 168.998,0 ; 169.032,-29.972 169.032,-25.972 ; 169.498,-2 169.498,0 ; 169.981,-29.972 169.981,-23.972 ; 169.998,-6 169.998,0 ; 170.032,-29.972 170.032,-23.972 ; 170.498,-2 170.498,0 ; 170.981,-29.972 170.981,-25.972 ; 170.998,-4 170.998,0 ; 171.032,-29.972 171.032,-25.972 ; 171.498,-2 171.498,0 ; 171.981,-29.972 171.981,-25.972 ; 171.998,-4 171.998,0 ; 172.032,-29.972 172.032,-25.972 ; 172.498,-2 172.498,0 ; 172.981,-29.972 172.981,-25.972 ; 172.998,-4 172.998,0 ; 173.032,-29.972 173.032,-25.972 ; 173.498,-2 173.498,0 ; 173.981,-29.972 173.981,-25.972 ; 173.998,-4 173.998,0 ; 174.032,-29.972 174.032,-25.972 ; 174.498,-2 174.498,0 ; 174.981,-29.972 174.981,-22.972 ; 174.998,-7 174.998,0 ; 175.032,-29.972 175.032,-22.972 ; 175.498,-2 175.498,0 ; 175.981,-29.972 175.981,-25.972 ; 175.998,-4 175.998,0 ; 176.032,-29.972 176.032,-25.972 ; 176.498,-2 176.498,0 ; 176.981,-29.972 176.981,-25.972 ; 176.998,-4 176.998,0 ; 177.032,-29.972 177.032,-25.972 ; 177.498,-2 177.498,0 ; 177.981,-29.972 177.981,-25.972 ; 177.998,-4 177.998,0 ; 178.032,-29.972 178.032,-25.972 ; 178.498,-2 178.498,0 ; 178.981,-29.972 178.981,-25.972 ; 178.998,-4 178.998,0 ; 179.032,-29.972 179.032,-25.972 ; 179.498,-2 179.498,0 ; 179.981,-29.972 179.981,-23.972 ; 179.998,-6 179.998,0 ; 180.032,-29.972 180.032,-23.972 ; 180.498,-2 180.498,0 ; 180.981,-29.972 180.981,-25.972 ; 180.998,-4 180.998,0 ; 181.032,-29.972 181.032,-25.972 ; 181.498,-2 181.498,0 ; 181.981,-29.972 181.981,-25.972 ; 181.998,-4 181.998,0 ; 182.032,-29.972 182.032,-25.972 ; 182.498,-2 182.498,0 ; 182.998,-4 182.998,0 ; 183.498,-2 183.498,0 ; 183.981,-29.972 183.981,-25.972 ; 183.998,-4 183.998,0 ; 184.032,-29.972 184.032,-25.972 ; 184.498,-2 184.498,0 ; 184.981,-29.972 184.981,-22.972 ; 184.998,-7 184.998,0 ; 185.032,-29.972 185.032,-22.972 ; 185.498,-2 185.498,0 ; 185.981,-29.972 185.981,-25.972 ; 185.998,-4 185.998,0 ; 186.032,-29.972 186.032,-25.972 ; 186.498,-2 186.498,0 ; 186.981,-29.972 186.981,-25.972 ; 186.998,-4 186.998,0 ; 187.032,-29.972 187.032,-25.972 ; 187.498,-2 187.498,0 ; 187.981,-29.972 187.981,-25.972 ; 187.998,-4 187.998,0 ; 188.032,-29.972 188.032,-25.972 ; 188.498,-2 188.498,0 ; 188.981,-29.972 188.981,-25.972 ; 188.998,-4 188.998,0 ; 189.032,-29.972 189.032,-25.972 ; 189.498,-2 189.498,0 ; 189.981,-29.972 189.981,-23.972 ; 189.998,-6 189.998,0 ; 190.032,-29.972 190.032,-23.972 ; 190.498,-2 190.498,0 ; 190.981,-29.972 190.981,-25.972 ; 190.998,-4 190.998,0 ; 191.032,-29.972 191.032,-25.972 ; 191.498,-2 191.498,0 ; 191.981,-29.972 191.981,-25.972 ; 191.998,-4 191.998,0 ; 192.032,-29.972 192.032,-25.972 ; 192.498,-2 192.498,0 ; 192.981,-29.972 192.981,-25.972 ; 192.998,-4 192.998,0 ; 193.032,-29.972 193.032,-25.972 ; 193.498,-2 193.498,0 ; 193.981,-29.972 193.981,-25.972 ; 193.998,-4 193.998,0 ; 194.032,-29.972 194.032,-25.972 ; 194.498,-2 194.498,0 ; 194.981,-29.972 194.981,-22.972 ; 194.998,-7 194.998,0 ; 195.032,-29.972 195.032,-22.972 ; 195.498,-2 195.498,0 ; 195.981,-29.972 195.981,-25.972 ; 195.998,-4 195.998,0 ; 196.032,-29.972 196.032,-25.972 ; 196.498,-2 196.498,0 ; 196.981,-29.972 196.981,-25.972 ; 196.998,-4 196.998,0 ; 197.032,-29.972 197.032,-25.972 ; 197.498,-2 197.498,0 ; 197.981,-29.972 197.981,-25.972 ; 197.998,-4 197.998,0 ; 198.032,-29.972 198.032,-25.972 ; 198.498,-2 198.498,0 ; 198.981,-29.972 198.981,-25.972 ; 198.998,-4 198.998,0 ; 199.032,-29.972 199.032,-25.972 ; 199.498,-2 199.498,0 ; 199.981,-29.972 199.981,-23.972 ; 199.998,-6 199.998,0 ; 200.032,-29.972 200.032,-23.972 ; 200.498,-2 200.498,0 ; 200.981,-29.972 200.981,-25.972 ; 200.998,-4 200.998,0 ; 201.032,-29.972 201.032,-25.972 ; 201.498,-2 201.498,0 ; 201.981,-29.972 201.981,-25.972 ; 201.998,-4 201.998,0 ; 202.032,-29.972 202.032,-25.972 ; 202.498,-2 202.498,0 ; 202.981,-29.972 202.981,-25.972 ; 202.998,-4 202.998,0 ; 203.032,-29.972 203.032,-25.972 ; 203.498,-2 203.498,0 ; 203.981,-29.972 203.981,-25.972 ; 203.998,-4 203.998,0 ; 204.032,-29.972 204.032,-25.972 ; 204.498,-2 204.498,0 ; 204.981,-29.972 204.981,-22.972 ; 204.998,-7 204.998,0 ; 205.032,-29.972 205.032,-22.972 ; 73.982,-29.972 73.982,-25.972 ; 73.982,-29.972 73.982,-25.972 ; 73.982,-29.972 73.982,-25.972 ; 74.033,-29.972 74.033,-25.972 ; 74.033,-29.972 74.033,-25.972 ; 74.033,-29.972 74.033,-25.972 ; 135.998,-4 135.998,0 ; 135.998,-4 135.998,0 ; 135.998,-4 135.998,0 ; 136.498,-2 136.498,0 ; 136.498,-2 136.498,0 ; 136.498,-2 136.498,0 ; 0,-30 0,0 210,0 210,-30 0,-30 ; 27,-4 27,0 27,-4 ; 27.5,-2 27.5,0 27.5,-2 ; 44,-4 44,0 44,-4 ; 44.5,-2 44.5,0 44.5,-2 ; 57.982,-29.972 57.982,-25.972 57.982,-29.972 ; 58.034,-29.972 58.034,-25.972 58.034,-29.972 ; 62.982,-29.972 62.982,-25.972 62.982,-29.972 ; 63.034,-29.972 63.034,-25.972 63.034,-29.972 ; 68.982,-29.972 68.982,-25.972 68.982,-29.972 ; 69.034,-29.972 69.034,-25.972 69.034,-29.972 ; 78.982,-29.972 78.982,-25.972 78.982,-29.972 ; 79.033,-29.972 79.033,-25.972 79.033,-29.972 ; 81.982,-29.972 81.982,-25.972 81.982,-29.972 ; 82.033,-29.972 82.033,-25.972 82.033,-29.972 ; 82.982,-29.972 82.982,-25.972 82.982,-29.972 ; 83.033,-29.972 83.033,-25.972 83.033,-29.972 ; 85.982,-29.972 85.982,-25.972 85.982,-29.972 ; 86.033,-29.972 86.033,-25.972 86.033,-29.972 ; 86.982,-29.972 86.982,-25.972 86.982,-29.972 ; 87.033,-29.972 87.033,-25.972 87.033,-29.972 ; 88.999,-4 88.999,0 88.999,-4 ; 89.499,-2 89.499,0 89.499,-2 ; 93.982,-29.972 93.982,-25.972 93.982,-29.972 ; 94.033,-29.972 94.033,-25.972 94.033,-29.972 ; 98.999,-4 98.999,0 98.999,-4 ; 99.499,-2 99.499,0 99.499,-2 ; 110.982,-29.972 110.982,-25.972 110.982,-29.972 ; 111.033,-29.972 111.033,-25.972 111.033,-29.972 ; 115.999,-4 115.999,0 115.999,-4 ; 116.499,-2 116.499,0 116.499,-2 ; 120.982,-29.972 120.982,-25.972 120.982,-29.972 ; 121.033,-29.972 121.033,-25.972 121.033,-29.972 ; 122.999,-4 122.999,0 122.999,-4 ; 123.499,-2 123.499,0 123.499,-2 ; 123.999,-4 123.999,0 123.999,-4 ; 124.499,-2 124.499,0 124.499,-2 ; 126.999,-4 126.999,0 126.999,-4 ; 127.499,-2 127.499,0 127.499,-2 ; 127.999,-4 127.999,0 127.999,-4 ; 128.498,-2 128.498,0 128.498,-2 ; 130.998,-4 130.998,0 130.998,-4 ; 131.498,-2 131.498,0 131.498,-2 ; 135.498,-2 135.498,0 135.498,-2 ; 140.998,-4 140.998,0 140.998,-4 ; 141.498,-2 141.498,0 141.498,-2 ; 145.498,-2 145.498,0 145.498,-2 ; 146.998,-4 146.998,0 146.998,-4 ; 147.498,-2 147.498,0 147.498,-2 ; 151.998,-4 151.998,0 151.998,-4 ; 152.498,-2 152.498,0 152.498,-2 ; 165.981,-29.972 165.981,-25.972 165.981,-29.972 ; 166.032,-29.972 166.032,-25.972 166.032,-29.972 ; 182.981,-29.972 182.981,-25.972 182.981,-29.972 ; 183.032,-29.972 183.032,-25.972 183.032,-29.972

## Polygon pours and split planes (outlines as drawn)
no net on Top Layer "Top Layer-No Net" (solid, pour order 0): -4.191,3.556 214.884,3.556 215.265,3.175 213.995,1.905 213.995,-35.433 -1.778,-35.433 -5.461,-39.116
no net on Bottom Layer "Bottom Layer-No Net" (solid, pour order 4): -2.54,2.413 211.963,2.413 212.725,1.651 212.725,-33.274 -2.667,-33.274 -3.556,-32.385

## Keep-outs
Keep-Out Layer:
  text "杨林森" at 194.437,-28.321 h5

## Other copper
Top Layer:
  text "0" at 5.715,-8.128 h3
  text "1" at 15.875,-8.128 h3
  text "2" at 26,-8.128 h3
  text "3" at 36,-8.128 h3
  text "4" at 46,-8.128 h3
  text "5" at 55.999,-8.128 h3
  text "6" at 65.999,-8.128 h3
  text "7" at 75.999,-8.128 h3
  text "8" at 85.999,-8.128 h3
  text "9" at 95.999,-8.128 h3
  text "10" at 105.999,-8.128 h3
  text "11" at 115.999,-8.128 h3
  text "12" at 125.999,-8.128 h3
  text "13" at 135.998,-8.128 h3
  text "14" at 145.998,-8.128 h3
  text "15" at 155.998,-8.128 h3
  text "16" at 165.998,-8.128 h3
  text "17" at 175.998,-8.128 h3
  text "18" at 185.998,-8.128 h3
  text "19" at 195.998,-8.128 h3
  text "20" at 205.74,-8.128 h3
  text "徐新宇" at 16.359,-27.051 h5
Bottom Layer:
  text "0" at 6.034,-21.971 h3 r180
  text "1" at 16.034,-21.971 h3 r180
  text "2" at 25.983,-21.971 h3 r180
  text "3" at 36.034,-21.971 h3 r180
  text "4" at 46.034,-21.971 h3 r180
  text "5" at 56.007,-21.971 h3 r180
  text "6" at 65.982,-21.971 h3 r180
  text "7" at 75.982,-21.971 h3 r180
  text "8" at 85.982,-21.971 h3 r180
  text "9" at 96.033,-21.971 h3 r180
  text "10" at 105.982,-21.971 h3 r180
  text "11" at 115.982,-21.971 h3 r180
  text "12" at 126.033,-21.971 h3 r180
  text "13" at 135.981,-21.971 h3 r180
  text "14" at 145.981,-21.971 h3 r180
  text "15" at 155.981,-22.079 h3 r180
  text "16" at 166.116,-22.079 h3 r180
  text "17" at 176.052,-22.06 h3 r180
  text "18" at 185.831,-22.098 h3 r180
  text "19" at 196.032,-22.098 h3 r180
  text "20" at 205.994,-22.098 h3 r180

## Silkscreen, mask and mechanical layers (free items; w line width, h text height)
Top Solder:
  drawing of 1020 lines, arcs and shapes, not listed
  text "0" at 5.766,-8.128 h3
  text "1" at 15.926,-8.128 h3
  text "2" at 26.051,-8.128 h3
  text "3" at 36.051,-8.128 h3
  text "4" at 46.051,-8.128 h3
  text "5" at 56.051,-8.128 h3
  text "6" at 66.051,-8.128 h3
  text "7" at 76.05,-8.128 h3
  text "8" at 86.05,-8.128 h3
  text "9" at 96.05,-8.128 h3
  text "10" at 106.05,-8.128 h3
  text "11" at 116.05,-8.128 h3
  text "12" at 126.05,-8.128 h3
  text "13" at 136.05,-8.128 h3
  text "14" at 146.05,-8.128 h3
  text "15" at 156.049,-8.128 h3
  text "16" at 166.049,-8.128 h3
  text "17" at 176.049,-8.128 h3
  text "18" at 186.049,-8.128 h3
  text "19" at 196.049,-8.128 h3
  text "20" at 205.791,-8.128 h3
  text "灯 等灯等灯" at 10.033,-27.178 h5
Bottom Solder:
  drawing of 436 lines, arcs and shapes, not listed
  text "0" at 6.037,-21.971 h3 r180
  text "1" at 16.037,-21.971 h3 r180
  text "2" at 25.985,-21.971 h3 r180
  text "3" at 36.036,-21.971 h3 r180
  text "4" at 46.036,-21.971 h3 r180
  text "5" at 56.01,-21.971 h3 r180
  text "6" at 65.985,-21.971 h3 r180
  text "7" at 75.985,-21.971 h3 r180
  text "8" at 85.985,-21.971 h3 r180
  text "9" at 96.036,-21.971 h3 r180
  text "10" at 105.984,-21.971 h3 r180
  text "11" at 115.984,-21.971 h3 r180
  text "12" at 126.035,-21.971 h3 r180
  text "13" at 135.984,-21.971 h3 r180
  text "14" at 145.984,-21.971 h3 r180
  text "15" at 155.984,-22.079 h3 r180
  text "16" at 166.116,-22.079 h3 r180
  text "17" at 176.065,-22.079 h3 r180
  text "18" at 185.831,-22.079 h3 r180
  text "19" at 196.035,-22.098 h3 r180
  text "20" at 205.997,-22.098 h3 r180